# Altium PCB MB1019.PcbDoc (part 1 of 4) (continued)
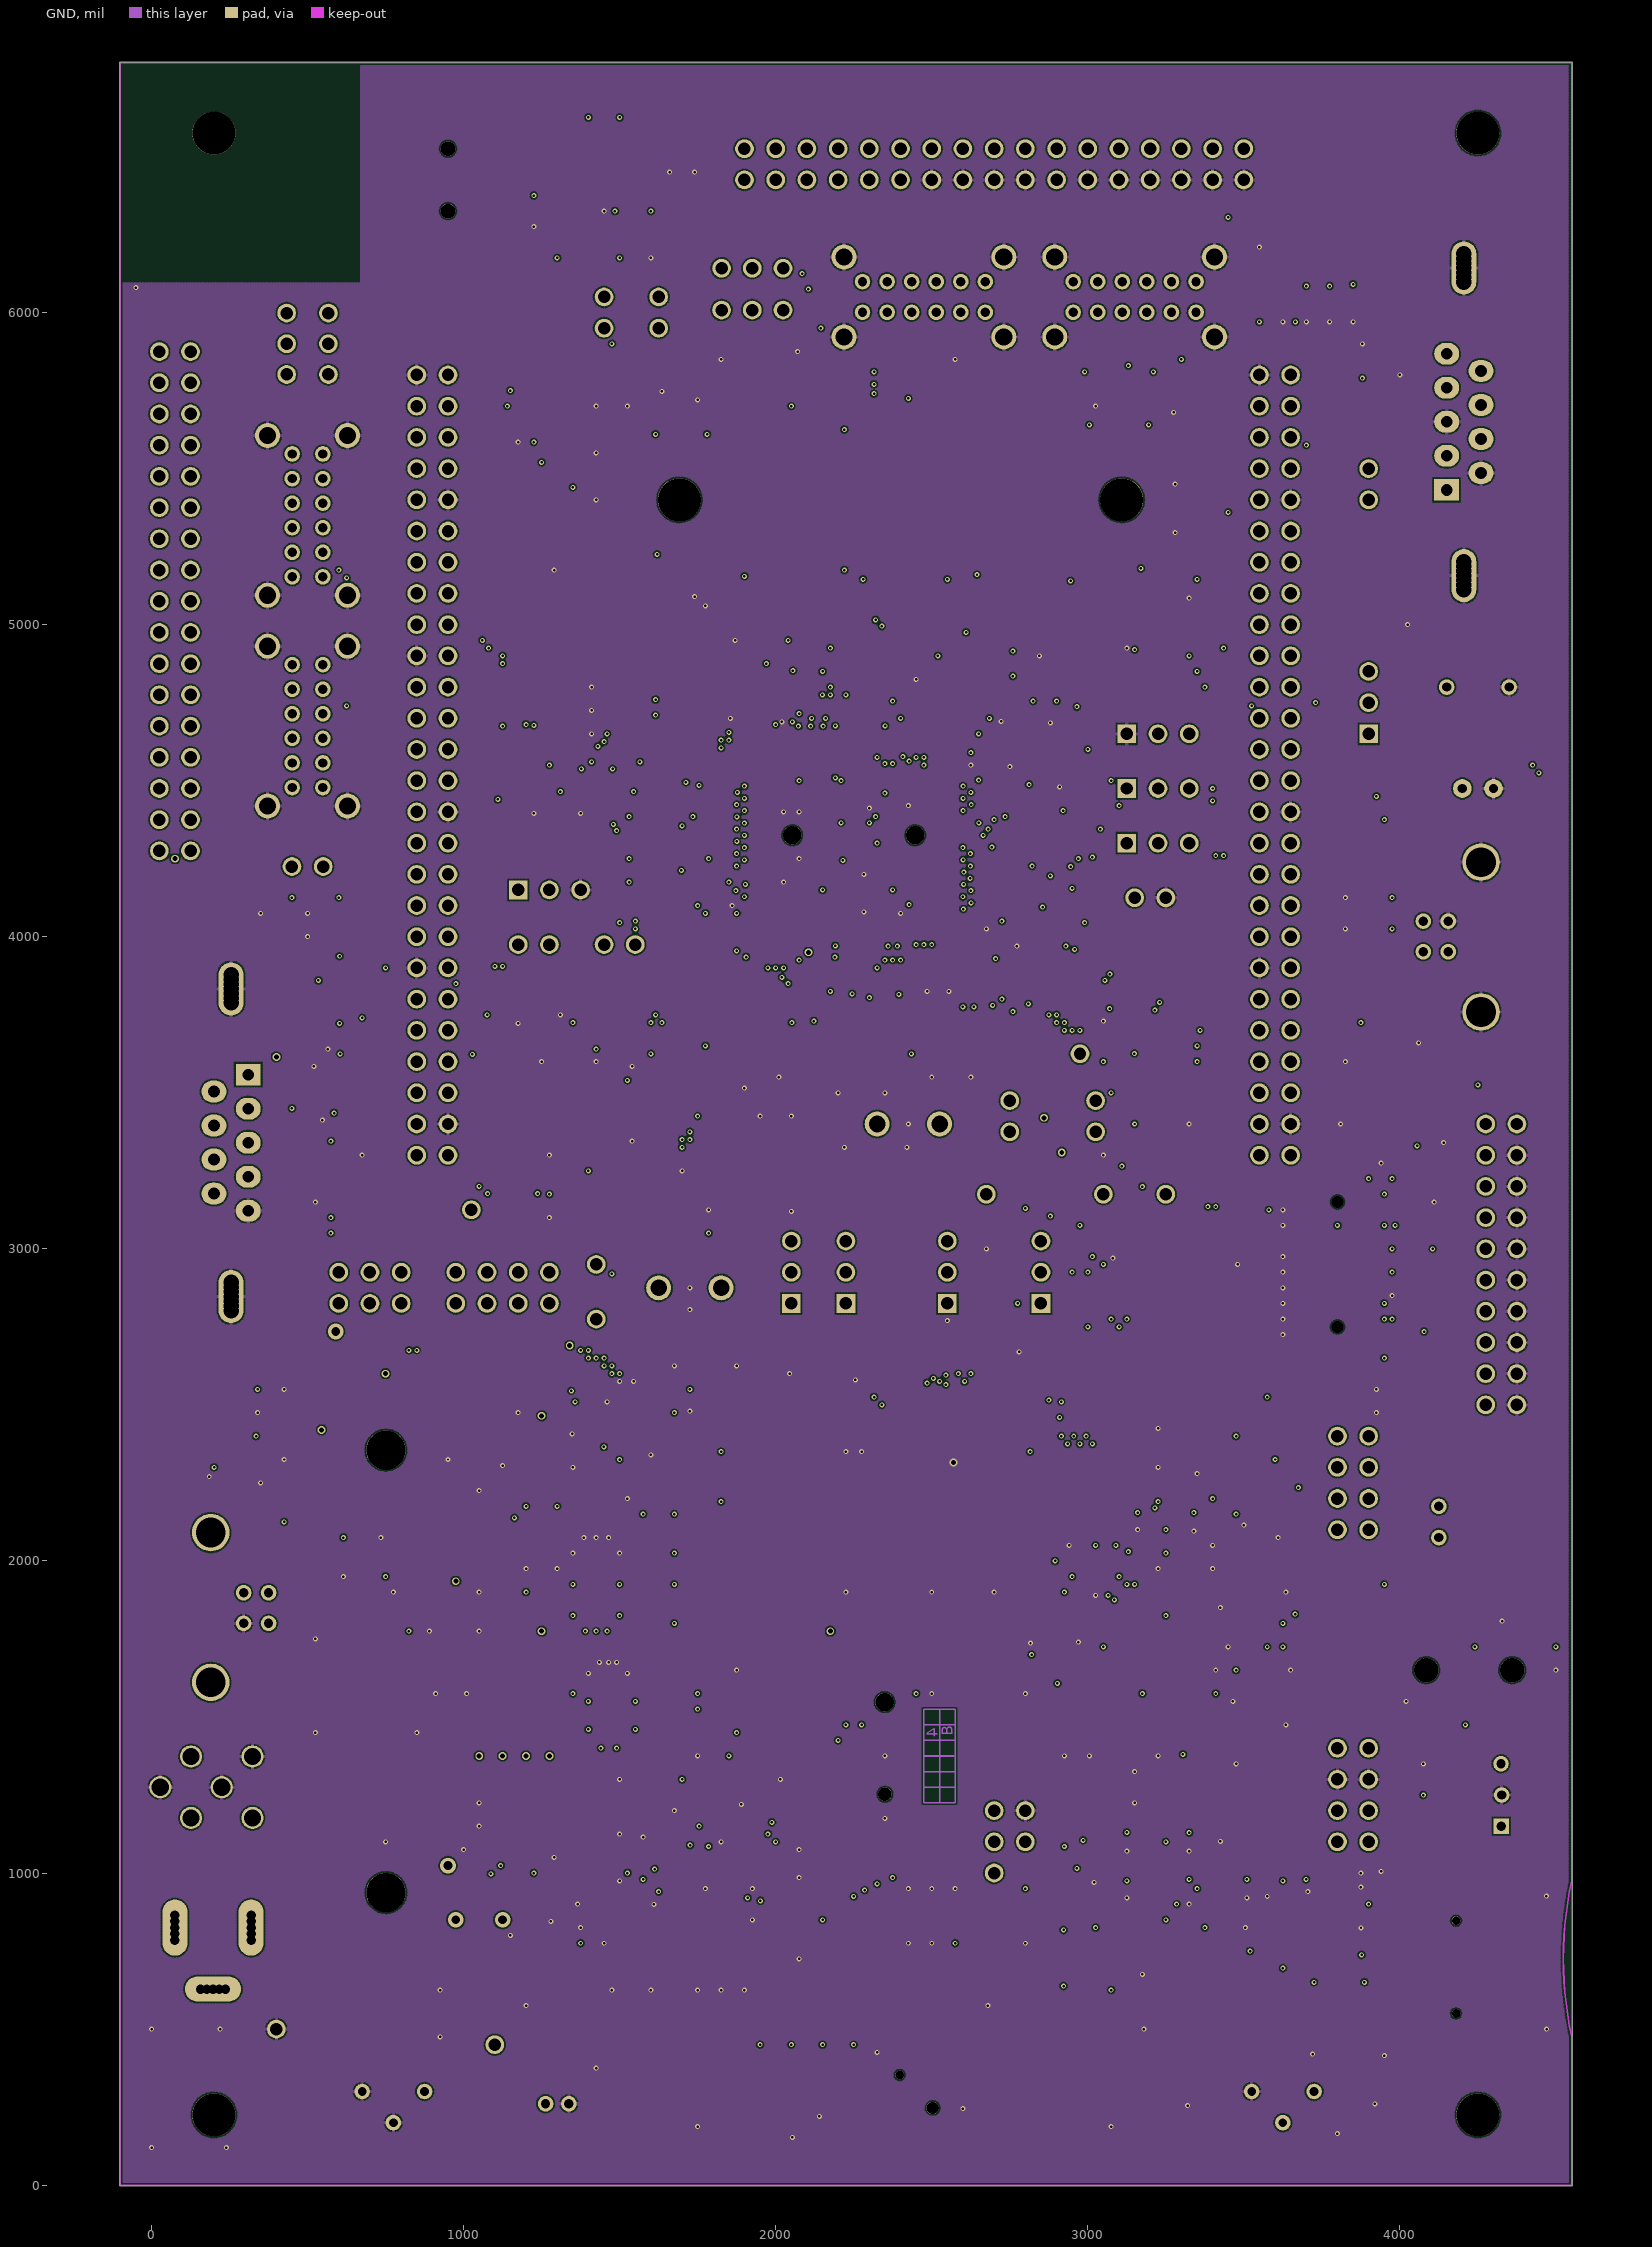
[diagram p3: GND]

## Layer stack, top to bottom
TopLayer: signal copper 1.4
Dielectric: core 4, FR-4, Dk 0.1
VCC: signal copper 1.4
Dielectric: prepreg 3.937, FR-4, Dk 4.8
GND: signal copper 1.4
Dielectric: core 12.6, FR-4, Dk 4.8
BottomLayer: signal copper 1.4

## Board outline
-102.5,-2.5 4552.5,-2.5 4552.5,6802.5 -102.5,6802.5

## Design rules (kind name [scope] priority, off if disabled: settings)
Clearance Clearance_2 [OnLayer('VCC') And ((InPoly)) vs OnLayer('VCC')] p1: gap=5
Clearance Clearance_1 [(InPoly)] p2 off: gap=20
Clearance [All] p3: gap=5
ComponentClearance [All] p1 off: gap=10 collisioncheckmode=3 verticalgap=10 showdistances=FALSE
FabricationTestPointUsage TestPointUsage [All] p1: valid=0 allowmultiple=FALSE
FabricationTestpoint Testpoint [All] p1: side=3 testpointundercomponent=TRUE minsize=40 maxsize=100 preferedsize=60 minholesize=20 maxholesize=40 preferedholesize=32 testpointgrid=1 allowsidetop=TRUE allowsidebottom=TRUE usegrid=TRUE gridtolerance=0.01
PolygonConnect [All] p1: connectstyle=Relief reliefconductorwidth=10 reliefentries=4 polygonreliefangle="90 Angle"
RoutingLayers [All] p1: top layer_v5=TRUE mid layer 1_v5=FALSE mid layer 2_v5=FALSE bottom layer_v5=TRUE
RoutingVias RoutingVias_1 [InNet('+1V2')] p1: holewidth=8 width=18 viastyle="Through Hole" minholewidth=8 minwidth=12 maxholewidth=28 maxwidth=50
RoutingVias RoutingVias_6 [InNet('+5V')] p2: holewidth=8 width=16 viastyle="Through Hole" minholewidth=8 minwidth=12 maxholewidth=28 maxwidth=50
RoutingVias RoutingVias_7 [InNet('E5V')] p3: holewidth=8 width=16 viastyle="Through Hole" minholewidth=8 minwidth=16 maxholewidth=28 maxwidth=50
RoutingVias RoutingVias_8 [InNet('EMU_3V3')] p4: holewidth=8 width=16 viastyle="Through Hole" minholewidth=8 minwidth=16 maxholewidth=28 maxwidth=50
RoutingVias RoutingVias_5 [InNet('+3V3')] p5: holewidth=8 width=16 viastyle="Through Hole" minholewidth=8 minwidth=12 maxholewidth=28 maxwidth=50
RoutingVias RoutingVias_2 [InNet('+1V8')] p6: holewidth=8 width=16 viastyle="Through Hole" minholewidth=8 minwidth=12 maxholewidth=28 maxwidth=50
RoutingVias RoutingVias_3 [InNet('+2V5')] p7: holewidth=8 width=16 viastyle="Through Hole" minholewidth=8 minwidth=8 maxholewidth=28 maxwidth=50
RoutingVias RoutingVias_4 [InNet('+2V8')] p8: holewidth=8 width=16 viastyle="Through Hole" minholewidth=8 minwidth=12 maxholewidth=28 maxwidth=50
RoutingVias RoutingVias_14 [InNet('VDD_MCU')] p9: holewidth=8 width=16 viastyle="Through Hole" minholewidth=8 minwidth=12 maxholewidth=28 maxwidth=50
RoutingVias RoutingVias_13 [InNet('VBUS_HS')] p10: holewidth=8 width=16 viastyle="Through Hole" minholewidth=8 minwidth=16 maxholewidth=28 maxwidth=50
RoutingVias RoutingVias_16 [InNet('VREF+')] p11: holewidth=8 width=16 viastyle="Through Hole" minholewidth=8 minwidth=12 maxholewidth=28 maxwidth=50
RoutingVias RoutingVias_15 [InNet('VDDA')] p12: holewidth=8 width=16 viastyle="Through Hole" minholewidth=8 minwidth=12 maxholewidth=28 maxwidth=50
RoutingVias RoutingVias_10 [InNet('GND')] p13: holewidth=8 width=16 viastyle="Through Hole" minholewidth=6 minwidth=12 maxholewidth=28 maxwidth=50
RoutingVias RoutingVias_9 [InNet('EMU_5V')] p14: holewidth=8 width=16 viastyle="Through Hole" minholewidth=8 minwidth=16 maxholewidth=28 maxwidth=50
RoutingVias RoutingVias_12 [InNet('VBUS_FS')] p15: holewidth=8 width=16 viastyle="Through Hole" minholewidth=8 minwidth=16 maxholewidth=28 maxwidth=50
RoutingVias RoutingVias_11 [InNet('U5V_ST_LINK')] p16: holewidth=8 width=16 viastyle="Through Hole" minholewidth=8 minwidth=16 maxholewidth=28 maxwidth=50
RoutingVias [All] p17: holewidth=8 width=16 viastyle="Through Hole" minholewidth=8 minwidth=16 maxholewidth=100 maxwidth=300
SilkscreenOverComponentPads [All] p1: minsilkscreentomaskgap=10
SolderMaskExpansion [All] p1: expansion=4
Width Width_6 [InNet('E5V')] p1: maxlimit=300 minlimit=8 preferedwidth=12
Width Width_10 [InNet('VREF+')] p2: maxlimit=300 minlimit=8 preferedwidth=8
Width Width_2 [InNet('+2V5')] p3: maxlimit=300 minlimit=5 preferedwidth=8
Width Width_3 [InNet('+2V8')] p4: maxlimit=300 minlimit=5 preferedwidth=8
Width Width_4 [InNet('D5V')] p5: maxlimit=300 minlimit=5 preferedwidth=12
Width Width_1 [InNet('+1V8')] p6: maxlimit=300 minlimit=5 preferedwidth=7.87
Width Width_5 [InNet('+3V3')] p7: maxlimit=300 minlimit=5 preferedwidth=12
Width Width_15 [InNet('VDD_MCU')] p8: maxlimit=300 minlimit=5 preferedwidth=8
Width Width_12 [InNet('GND')] p9: maxlimit=300 minlimit=5 preferedwidth=5
Width Width_13 [InNet('VDDA')] p10: maxlimit=300 minlimit=5 preferedwidth=12
Width Width_8 [InNet('+5V')] p11: maxlimit=300 minlimit=5 preferedwidth=12
Width Width_9 [InNet('EMU_3V3')] p12: maxlimit=300 minlimit=5 preferedwidth=12
Width Width_11 [InNet('EMU_5V')] p13: maxlimit=300 minlimit=5 preferedwidth=12
Width [All] p14: maxlimit=300 minlimit=3 preferedwidth=20
23 further rules are at their usual default settings.

## Classes and differential pairs
net class PE[0..15]: PE0 PE1 PE2 PE3 PE4 PE5 PE6 PE7 PE8 PE9 PE10 PE11 PE12 PE13 PE14 PE15 PE[0..15]0 PE[0..15]1 PE[0..15]2 PE[0..15]3 PE[0..15]4 PE[0..15]5 PE[0..15]6 PE[0..15]7 PE[0..15]8 PE[0..15]9 PE[0..15]10 PE[0..15]11 PE[0..15]12 PE[0..15]13 PE[0..15]14 PE[0..15]15
net class PD[0..15]: NetR90_2 NetSB14_1 NetU13_7 PD1 PD2 PD3 PD4 PD5 PD6 PD7 PD8 PD9 PD11 PD14 PD15 PD[0..15]0 PD[0..15]1 PD[0..15]2 PD[0..15]3 PD[0..15]4 PD[0..15]5 PD[0..15]6 PD[0..15]7 PD[0..15]8 PD[0..15]9 PD[0..15]10 PD[0..15]11 PD[0..15]12 PD[0..15]13 PD[0..15]14 PD[0..15]15 PH11
net class PC[0..15]: NetJP16_1 PA6 PC0 PC1 PC2 PC3 PC4 PC5 PC6 PC7 PC8 PC13 PC14 PC15 PC[0..15]0 PC[0..15]1 PC[0..15]2 PC[0..15]3 PC[0..15]4 PC[0..15]5 PC[0..15]6 PC[0..15]7 PC[0..15]8 PC[0..15]9 PC[0..15]10 PC[0..15]11 PC[0..15]12 PC[0..15]13 PC[0..15]14 PC[0..15]15 PH10 PH14
net class PB[0..15]: NetCN13_6 NetR17_2 NetRS7_12 PB0 PB1 PB2 PB5 PB6 PB7 PB9 PB10 PB11 PB12 PB13 PB14 PB15 PB[0..15]0 PB[0..15]1 PB[0..15]2 PB[0..15]3 PB[0..15]4 PB[0..15]5 PB[0..15]6 PB[0..15]7 PB[0..15]8 PB[0..15]9 PB[0..15]10 PB[0..15]11 PB[0..15]12 PB[0..15]13 PB[0..15]14 PB[0..15]15
net class PA[0..15]: CAMERA_CLK CAMERA_RST NetC62_2 NetCN13_2 NetCN13_4 NetCN13_8 NetR238_2 PA0 PA1 PA2 PA3 PA4 PA6 PA7 PA[0..15]0 PA[0..15]1 PA[0..15]2 PA[0..15]3 PA[0..15]4 PA[0..15]5 PA[0..15]6 PA[0..15]7 PA[0..15]8 PA[0..15]9 PA[0..15]10 PA[0..15]11 PA[0..15]12 PA[0..15]13 PA[0..15]14 PA[0..15]15 PI5 PI7
component class MB784: R64 R184 R201 R212
component class MicroSDCard: CN1 R58 R70 R72 R181
component class LCD: CN9 CN13
component class JTAG&Trace: C134 CN8 CN14 JP18 R35 R38 R39 R40 R57 R58 R59 R62 R199 R237 R280 R301
component class ExtensionConnector: CN15 CN16 R73 R87 SB16 SB18
component class IO_Expandor: C21 C29 R58 R78 R249 R250 R296 R302 R314 U16 U18
component class MotorControl: C42 C57 C60 C92 C93 C95 C96 C99 C105 C106 C107 C109 C121 CN1 JP1 JP22 R10 R14 R19 R20 R57 R91 R123 R147
component class Audio: C1 C20 C25 C41 C43 C48 C54 C55 C59 C62 C69 C84 C86 C90 C102 C104 C127 CN4 R81 R223 R251 R259 R263 R293 R328 U21 U22
component class USART&IrDA: C10 C29 C31 C49 C68 C110 C113 C115 C128 CN10 JP4 R148 R241 U6 U17
component class SmartCard: C3 C18 C33 C83 C85 C87 C108 C125 CN2 R3 R39 R80 R106 R110 R247 R311 R318 R319 TP1 TP2 U1
component class CAN: C34 C79 CN3 JP9 JP20 JP21 JP23 R2 R5 R26 R28 R57 R60 R63 R159 R229 R232 R235 R242 U20 U26
component class USB_OTG_FS: C33 CN6 LD8 R11 R24 R25 R27 R30 R58 R247 U18 U19
component class Ethernet: C8 C13 C23 C38 C63 C66 C70 C81 C117 C122 C124 CN3 JP15 JP19 JP26 R1 R4 R23 R29 R34 R36 R39 R57 R58 R66 R67 R68 R69 R106 R125 R146 R148 R153 R224 R233 R234 R238 R248 R257 R258 R261 R268 R300 R303 TP7 U8 U10 X4
component class Power: BT1 C12 C15 C17 C22 C24 C28 C30 C31 C39 C45 C52 C58 C91 C94 C116 C120 CN20 JP5 JP14 JP22 L2 LD8 R6 R7 R10 R13 R31 R32 R33 R38 R65 R82 R103 R105 R119 T4 T5 TP1 TP3 TP4 TP6 TP13 U2 U9 U14 U15 U25 U27 U28 Z1
component class IOPeripherals: B2 B3 B4 C7 C32 C40 C44 C46 C47 C53 C65 C98 C107 C108 CN5 CN15 JP2 LD8 R12 R16 R18 R19 R21 R22 R35 R36 R39 R57 R58 R61 R86 R124 R166 R187 R206 R218 R256 R269 R271 R275 R281 R282 R298 R316 R321 R324 RV1 SB12 SB17 U2 U23 U26
component class MCU: B1 C2 C9 C37 C56 C126 D1 D2 JP3 JP6 JP7 JP8 JP10 JP11 JP12 JP17 R57 R71 R79 R196 R205 R240 R290 R320 SW1 SW2 TP2 X2 X3
component class Cameraconnector: C38 C66 C70 CN15 JP26 R233 R238 R258 U8
component class USB_OTG_HS: C1 C29 C31 C49 C68 C90 C110 C113 C115 C127 C128 CN15 L2 L3 LD8 R1 R3 R4 R34 R57 R58 U16 U18 U26 X1
component class PSRAM&OneNAND: C28 C30 C103 C111 C112 R6 R7 R10 R31 R32 R33 R38 R103 R105 R119 U3 U20
component class MB786: R61 R166 R218 R256
net class DCMI_D[0..7]: DCMI_D0 DCMI_D1 DCMI_D2 DCMI_D3 DCMI_D4 DCMI_D5 DCMI_D6 DCMI_D7 DCMI_D[0..7]0 DCMI_D[0..7]1 DCMI_D[0..7]2 DCMI_D[0..7]3 DCMI_D[0..7]4 DCMI_D[0..7]5 DCMI_D[0..7]6 DCMI_D[0..7]7
net class PF[0..15]: PF0 PF1 PF2 PF3 PF4 PF5 PF6 PF7 PF8 PF9 PF10 PF11 PF12 PF13 PF14 PF15 PF[0..15]0 PF[0..15]1 PF[0..15]2 PF[0..15]3 PF[0..15]4 PF[0..15]5 PF[0..15]6 PF[0..15]7 PF[0..15]8 PF[0..15]9 PF[0..15]10 PF[0..15]11 PF[0..15]12 PF[0..15]13 PF[0..15]14 PF[0..15]15
net class PG[0..15]: PG0 PG2 PG3 PG3SA PG4 PG5 PG6 PG7 PG8 PG9 PG10 PG11 PG12 PG13 PG14 PG15 PG[0..15]0 PG[0..15]1 PG[0..15]2 PG[0..15]3 PG[0..15]4 PG[0..15]5 PG[0..15]6 PG[0..15]7 PG[0..15]8 PG[0..15]9 PG[0..15]10 PG[0..15]11 PG[0..15]12 PG[0..15]13 PG[0..15]14 PG[0..15]15
net class PH[0..15]: PH0 PH1 PH2 PH3 PH4 PH5 PH6 PH7 PH8 PH9 PH10 PH11 PH12 PH13 PH14 PH15 PH[0..15]0 PH[0..15]1 PH[0..15]2 PH[0..15]3 PH[0..15]4 PH[0..15]5 PH[0..15]6 PH[0..15]7 PH[0..15]8 PH[0..15]9 PH[0..15]10 PH[0..15]11 PH[0..15]12 PH[0..15]13 PH[0..15]14 PH[0..15]15
net class PI[0..11]: PI0 PI1 PI2 PI3 PI4 PI5 PI6 PI7 PI8 PI9 PI10 PI11 PI[0..11]0 PI[0..11]1 PI[0..11]2 PI[0..11]3 PI[0..11]4 PI[0..11]5 PI[0..11]6 PI[0..11]7 PI[0..11]8 PI[0..11]9 PI[0..11]10 PI[0..11]11
net class D[0..15]: D0 D1 D2 D3 D4 D5 D6 D7 D8 D9 D10 D11 D12 D13 D14 D15 D[0..15]0 D[0..15]1 D[0..15]2 D[0..15]3 D[0..15]4 D[0..15]5 D[0..15]6 D[0..15]7 D[0..15]8 D[0..15]9 D[0..15]10 D[0..15]11 D[0..15]12 D[0..15]13 D[0..15]14 D[0..15]15
net class A[0..17]: A0 A1 A2 A3 A4 A5 A6 A7 A8 A9 A10 A11 A12 A13 A14 A15 A16 A17 A[0..17]0 A[0..17]1 A[0..17]2 A[0..17]3 A[0..17]4 A[0..17]5 A[0..17]6 A[0..17]7 A[0..17]8 A[0..17]9 A[0..17]10 A[0..17]11 A[0..17]12 A[0..17]13 A[0..17]14 A[0..17]15 A[0..17]16 A[0..17]17
net class ULPI_D[0..7]: ULPI_D0 ULPI_D1 ULPI_D2 ULPI_D3 ULPI_D4 ULPI_D5 ULPI_D6 ULPI_D7 ULPI_D[0..7]0 ULPI_D[0..7]1 ULPI_D[0..7]2 ULPI_D[0..7]3 ULPI_D[0..7]4 ULPI_D[0..7]5 ULPI_D[0..7]6 ULPI_D[0..7]7
component class SRAM&OneNAND: C28 C30 C103 C111 C112 R7 R10 R31 R32 R33 R38 R103 R105 R119 U3 U20
component class ST_LINK: C27 C34 C35 C118 C119 C133 C134 C135 C138 C139 CN5 CN21 LD8 R84 R90 R94 R107 R109 R128 R138 R146 R165 R200 R304 R317 T4 U27 X5
net class A[0..20]: A0 A1 A2 A3 A4 A5 A6 A7 A8 A9 A10 A11 A12 A13 A14 A15 A16 A17 A18 A19 A20 A[0..20]0 A[0..20]1 A[0..20]2 A[0..20]3 A[0..20]4 A[0..20]5 A[0..20]6 A[0..20]7 A[0..20]8 A[0..20]9 A[0..20]10 A[0..20]11 A[0..20]12 A[0..20]13 A[0..20]14 A[0..20]15 A[0..20]16 A[0..20]17 A[0..20]18 A[0..20]19 A[0..20]20
component class MotorCtrl: 3SA C2 C3 C4 C5 C6 C7 C8 C9 C10 C11 C12 C13 C14 C15 C16 C17 C19 C21 C22 C23 C26 C27 C28 C29 C33 C34 C35 C37 C131 C132 C133 C134 C135 C136 CN2 CN4 JP2 JP7 OAM1 OAM2 PG3SA PGM1 PGM2 R67 R68 R69 R70 R72 R74 R75 R77 R78 R79 R80 R81 R82 R83 R84 R85 R90 R91 R92 R93 R94 R95 R96 R97 R98 R99 R100 R101 R107 R108 R109 R110 R119 R120 R123 R128 R138 R145 R146 R147 R148 R153 R165 SB1 SB2 SB3 SB4 SB5 SB10
component class Peripherals: B2 C63 C79 C108 C117 C122 C123 C124 C125 C126 CN12 LD8 R158 R164 R260 R265 R266 R272 R276 R283 R284 R289 R305 R306 R307 R308 R309 R312 R313 R317 R325 R326 R327 RV2 T6 T7 U19 U27
component class LCD_MicroSD_Flash: C100 C101 C109 C110 C113 C114 C115 CN15 CN16 L3 L4 R240 R249 R250 R263 R290 R293 R299 R303 R310 R311 R314 R315 R318 R319 R320 R328 TR3 U20 U22 U28
component class CAN&Humidity_Sensor&HB_LED&IR: C18 C55 C56 C68 C81 C90 CN3 D4 D5 JP3 JP4 L2 LD8 R73 R86 R87 R105 R106 R124 R125 R159 R238 R248 R256 R257 R258 R261 R262 R264 R271 R275 R280 R281 R282 R296 R300 SB19 T2 T3 T4 T5 U2 U3 U18
component class I2CPeripherals: C1 C49 CN1 JP8 R59 R60 R61 R62 R63 R64 R65 R66 R71 R181 R184 R199 R200 R201 R212 U1 U6
component class RS232_RS485_IrDA: C36 C40 C41 C42 C43 C44 C53 C54 C61 C62 C65 C69 C107 C108 CN8 CN15 JP13 R177 R186 R189 R202 R215 R217 R219 R220 R221 R226 R230 R243 R244 R252 R291 R292 R319 R325 R326 SB16 SB17 SB18 U5 U8 U9 U10 U28
component class TouchSensing: C24 C52 R102 R103 R104 R122 R137 SB6 SB7 SB8 SB9 SB11 TS1 TS2
component class MB1019: JP5 JP6 MP1 MP2 MP3 MP4 R179 R180 R182 R183

## Components (designator, comment, footprint, x,y, rotation, side; value= is the part's Value field where it differs from the comment)
3SA "MS22D16" MS22D16 500,5900 r90 top
B1 "TD-0341 [RESET/Black]" PB10 1825,275 r0 top
B2 "USER (Blue)" PB10 3050,275 r0 top
BT1 "CR1220 holder" LI1220_1 2350,1400 r90 top
C1 "100nF" 0603C 1600,6250 r270 top
C2 "1nF" 0603C 3550,6150 r90 top
C3 "[N/A]" 0603C 3625,6025 r90 top
C4 "[N/A]" 0603C 3700,6025 r270 top
C5 "[N/A]" 0603C 3775,6025 r270 top
C6 "[N/A]" 0603C 3850,6025 r270 top
C7 "[N/A]" 0603C 1825,5775 r90 top
C8 "[N/A]" 0603C 2125,5775 r90 top
C9 "1nF" 0603C 1350,5700 r0 top
C10 "[N/A]" 0603C 1525,5775 r270 top
C11 "10nF" 0603C 1600,5775 r270 top
C12 "[N/A]" 0603C 1675,5775 r270 top
C13 "[N/A]" 0603C 1750,5775 r270 top
C14 "[N/A]" 0603C 1350,5550 r180 top
C15 "[N/A]" 0603C 1350,5400 r0 top
C16 "[N/A]" 0603C 1350,5325 r0 top
C17 "[N/A]" 0603C 1350,5175 r180 top
C18 "100nF" 0603C 2900,4900 r180 top
C19 "[N/A]" 0603C 1350,4650 r0 top
C20 "100nF" 0603C 2000,4725 r180 top
C21 "[N/A]" 0603C 2625,4785 r0 top
C22 "[N/A]" 0603C 2725,4825 r270 top
C23 "[N/A]" 0603C 2800,4825 r270 top
C24 "220nF" 0603C 2750,4725 r180 top
C25 "100nF" 0603C 2675,4575 r90 top
C26 "[N/A]" 0603C 1350,4425 r0 top
C27 "[N/A]" 0603C 1200,4425 r0 top
C28 "[N/A]" 0603C 425,4000 r0 top
C29 "[N/A]" 0603C 2950,4190 r0 top
C30 "100nF" 0603C 3900,4125 r0 top
C31 "100nF" 0603C 1825,4075 r90 top
C32 "100nF" 0603C 2675,4100 r90 top
C33 "[N/A]" 0603C 2675,4225 r270 top
C34 "10nF" 0603C 425,4075 r180 top
C35 "[N/A]" 0603C 575,4075 r180 top
C36 "100nF" 0603C 1350,3800 r90 top
C37 "[N/A]" 0603C 2930,3805 r0 top
C38 "100nF" 0603C 2450,3850 r270 top
C39 "10nF" 0603C 2525,3850 r270 top
C40 "100nF" 0603C 575,3675 r180 top
C41 "100nF" 0603C 1200,3800 r270 top
C42 "100nF" 0603C 1275,3800 r270 top
C43 "100nF" 0603C 1425,3800 r270 top
C44 "100nF" 0603C 1500,3800 r270 top
C45 "10pF" 0603C 1925,3550 r0 top
C46 "20pF" 0603C 2377.5,3550 r0 top
C47 "1uF" TAN-A 2500,3650 r90 top
C48 "1uF" TAN-A 2625,3650 r90 top
C49 "100nF" 0603C 3050,3675 r90 top
C50 "10pF" 0603C 2075,3550 r0 top
C51 "20pF" 0603C 2227.5,3550 r0 top
C52 "47nF(COG)GRM31M5C1H473JA01L" 1206C 2475,4925 r270 top
C53 "100nF" 0603C 575,3375 r180 top
C54 "100nF" 0603C 1475,3050 r0 top
C55 "100nF" 0603C 3250,2825 r0 top
C56 "10uF" TAN-A 3250,2725 r180 top
C57 "1uF" TAN-A 1825,2550 r180 top
C58 "100nF" 0603C 1100,2400 r270 top
C59 "[N/A]" 0603C 1375,2375 r0 top
C60 "100nF" 0603C 1675,2550 r270 top
C61 "100nF" 0603C 275,2325 r180 top
C62 "4.7uF" TAN-A 425,2450 r270 top
C63 "100nF" 0603C 675,2075 r180 top
C64 "[N/A]" 0603C 1375,2275 r0 top
C65 "100nF" 0603C 275,2250 r180 top
C66 "10uF" 0805C 950,2225 r270 top
C67 "4.7uF" TAN-A 1300,2075 r90 top
C68 "1uF" TAN-A 3125,2300 r180 top
C69 "4.7uF" TAN-A 425,2225 r270 top
C70 "[N/A]" 0603C 1125,2050 r90 top
C71 "100nF[N/A]" 0603C 1175,2400 r270 top
C72 "100nF" 0603C 3375,2125 r90 top
C73 "100nF" 0603C 1225,1050 r180 top
C74 "100nF" 0603C 3325,2025 r0 top
C75 "10uF" 0805C 850,1100 r0 top
C76 "100nF" 0603C 3125,2125 r270 top
C77 "[N/A]" 0603C 975,925 r90 top
C78 "4.7uF" TAN-A 1225,900 r90 top
C79 "4.7nF" 0603C 525,1675 r90 top
C80 "100nF" 0603C 2775,1700 r90 top
C81 "47uF" C200M 2350,2425 r0 top
C82 "100nF" 0603C 2875,1575 r0 top
C83 "10uF" TAN-A 1150,1775 r0 top
C84 "100nF" 0603C 3100,1575 r180 top
C85 "220uF" C310M 725,1350 r180 top
C86 "100nF" 0603C 1125,1900 r0 top
C87 "47uF" C200M 1175,1575 r0 top
C88 "20pF" 0603C 3075,1450 r270 top
C89 "20pF" 0603C 3150,1450 r270 top
C90 "4.7uF" 0603C 4150,1350 r0 top
C91 "10uF" TAN-A 1600,1300 r0 top
C92 "100nF" 0603C 3225,1450 r270 top
C93 "1uF" 0603C 1425,1275 r180 top
C94 "100nF" 0603C 1700,1150 r0 top
C95 "1uF" 0603C 1750,1300 r270 top
C96 "1uF" TAN-A 1900,1300 r180 top
C97 "100nF" 0603C 525,975 r0 top
C98 "0.022uF" 0603C 1426,1199 r180 top
C99 "100nF" 0603C 1825,1150 r180 top
C100 "10uF" TAN-A 3575,1175 r90 top
C101 "100nF" 0603C 3675,1150 r90 top
C102 "0.022uF" 0603C 1426,1049 r180 top
C103 "100nF" 0603C 2050,1025 r180 top
C104 "10uF" TAN-A 1875,1550 r270 top
C105 "100nF" 0603C 1575,900 r90 top
C106 "100nF" 0603C 1575,1050 r270 top
C107 "100nF" 0603C 2050,950 r180 top
C108 "100nF" 0603C 2575,875 r90 top
C109 "100nF" 0603C 3075,1099 r270 top
C110 "100nF" 0603C 3375,1100 r270 top
C111 "1uF" 0603C 1426,824 r180 top
C112 "1uF" 0603C 1425,900 r180 top
C113 "100nF" 0603C 3075,950 r270 top
C114 "100nF" 0603C 3450,825 r180 top
C115 "100nF" 0603C 3375,950 r270 top
C116 "100nF" 0603C 2125,700 r90 top
C117 "4.7uF" TAN-A 2675,2900 r270 top
C118 "100nF" 0603C 1600,699 r90 top
C119 "1uF" 0603C 1675,699 r90 top
C120 "1uF" 0603C 1750,699 r90 top
C121 "08051A181FAT2A 180pF[1%]" 0805C 3925,5000 r0 top
C122 "100nF" 0603C 2500,875 r90 top
C123 "100nF" 0603C 2725,700 r270 top
C124 "100nF" 0603C 2425,875 r90 top
C125 "100nF" 0603C 2500,700 r90 top
C126 "100nF" 0603C 2425,700 r90 top
C127 "150pF(COG)" 0603C 1900,699 r270 top
C128 "150pF(COG)" 0603C 1825,699 r270 top
C129 "100nF" 0603C 3800,975 r0 top
C130 "100nF" 0603C 3475,950 r270 top
C131 "120pF" 0603R#1 3025,5775 r90 top
C132 "120pF" 0603R#1 2575,5775 r270 top
C133 "120pF" 0603R#1 1200,5550 r0 top
C134 "120pF" 0603R#1 1350,4725 r180 top
C135 "120pF" 0603R#1 1350,4875 r180 top
C136 "120pF" 0603R#1 1350,4800 r180 top
CN1 "SSM-104-L-DH" SSM-104-L-DH 950,6425 r0 top
CN2 "MC_connector" IDC34S 3500,6525 r270 top locked
CN3 "DB9-male CAN connector" DB9/M 4150,5650 r270 top
CN4 "MC_connector" IDC34S 25,5875 r0 top
CN5 "USB-typeB connector" USB-B 4075,4050 r90 top
CN6 "2213S-52G" 2*26P 850,5800 r0 top locked
CN7 "2213S-52G" 2*26P 3550,5800 r0 top locked
CN8 "DB9-male USART1" DB9/M 310,3340 r90 top
CN9 "FTSH-110-01-L-DV" FTSH-110-01-L-DV 3800,2950 r270 top
CN10 "JTAG" IDC20S 4275,3400 r0 top locked
CN11 "PJ3028B-3" PJ3028B 4360,1650 r180 top
CN12 "USB-typeB connector" USB-B 375,1800 r270 top
CN13 "JTAG" 2*3P#1 2700,1200 r0 top
CN14 "DC-10B" DC10B 75,825 r0 top
CN15 "2.4\" LCD connector" MB895CS 3800,2400 r0 top locked
CN16 "PJS008-2000 (SMS064FF or SMS128FF)" MSD(PJS008) 4180,550 r90 top
D1 "BAT60J" SOD-323 1600,3700 r0 top
D2 "BAT60J" SOD-323 1600,3625 r0 top
D3 "BAT60J" SOD-323 2890,3475 r180 top
D4 "MMSZ5227BT1" SOD-123 3125,2425 r0 top
D5 "STPS340" SMB 2700,2050 r270 top
D6 "Z5V1" SOT-23 3675,1900 r270 top
D7 "[N/A]" SOT-23 3500,1900 r270 top
D8 "Z5V1" SOT-23 3500,1725 r270 top
D9 "Z5V1" SOT-23 3675,1725 r270 top
D10 "Z5V1" SOT-23 3500,1550 r270 top
D11 "Z5V1" SOT-23 3675,1550 r270 top
JP1 "" SIP2 1450,5950 r90 top
JP2 "" SIP2 1625,6050 r270 top
JP3 "" SIP2 3900,5500 r270 top
JP4 "" SIP3 3125,4650 r0 top
JP5 "" SIP3 3125,4475 r0 top
JP6 "" SIP3 3125,4300 r0 top
JP7 "" SIP2 550,4225 r180 top
JP8 "" SIP2 3150,4125 r0 top
JP9 "" SIP2 1275,3975 r180 top
JP10 "" SIP2 1450,3975 r0 top
JP11 "" SIP2 3025,3375 r90 top
JP12 "" SIP2 2750,3475 r270 top
JP13 "Header 3X2" 2*3P#2 600,2825 r90 top
JP14 "Header 4X2" 2*4P 975,2825 r90 top
JP15 "" SIP3 2050,2825 r90 top
JP16 "" SIP3 2225,2825 r90 top
JP17 "" SIP3 2550,2825 r90 top
JP18 "" SIP3 2850,2825 r90 top
JP19 "" SIP3 3900,4650 r90 top
L1 "BEAD" 0603L 2890,3375 r180 top
L2 "330uH" SLF10145 2350,2075 r270 top
L3 "BEAD" 0603L 1125,1300 r270 top
L4 "BEAD" 0603L 1050,1300 r270 top
LD1 "Green" 0603D 2250,525 r270 top
LD2 "Orange" 0603D 2150,525 r270 top
LD3 "Red" 0603D 2050,525 r270 top
LD4 "Blue" 0603D 1950,525 r270 top
LD5 "red" 0603D 600,3150 r0 top
LD7 "Amber" PLCC4 3250,3000 r0 top
LD8 "HSMF-A201-A00J1" LED2-28*32 3450,2950 r180 top
LD9 "SFH409-2" D0.1L 4125,2125 r90 top
MP1 "" markpoint_1.0 4100,6400 r0 top
MP2 "" markpoint_1.0 1895,4700 r0 top
MP3 "" markpoint_1.0 2625,3975 r0 top
MP4 "" markpoint_1.0 325,400 r0 top
OAM1 "SS42D02" SS42D02 3150,6050 r0 top
OAM2 "SS42D02" SS42D02 500,5350 r90 top
PG3SA "MS22D16" MS22D16 1925,6075 r0 top
PGM1 "SS42D02" SS42D02 2475,6050 r0 top
PGM2 "SS42D02" SS42D02 500,4675 r90 top
R1 "[N/A]" 0603R#1 1875,3725 r90 top
R2 "0" 0603R#1 1875,3675 r270 top
R3 "[N/A]" 0603R#1 1950,3725 r90 top
R4 "0" 0603R#1 1950,3675 r270 top
R5 "[N/A]" 0603R#1 2024,3725 r90 top
R6 "0" 0603R#1 2024,3675 r270 top
R7 "[N/A]" 0603R#1 2100,3725 r90 top
R8 "0" 0603R#1 2100,3675 r270 top
R9 "[N/A]" 0603R#1 2725,3725 r270 top
R10 "0" 0603R#1 2725,3675 r90 top